# Altium PCB PCB1.PcbDoc (part 4 of 6)
Units mil, origin at the board's own origin, x right, y up, seen from the top; angles counter-clockwise.
Board outline 3937.01 x 3937.01 mil, 4 copper layers (Top Layer, GND, PWR, Bottom Layer), stack 72.967 mil thick; 11 components, 206 nets, 668 pads, 258 vias.
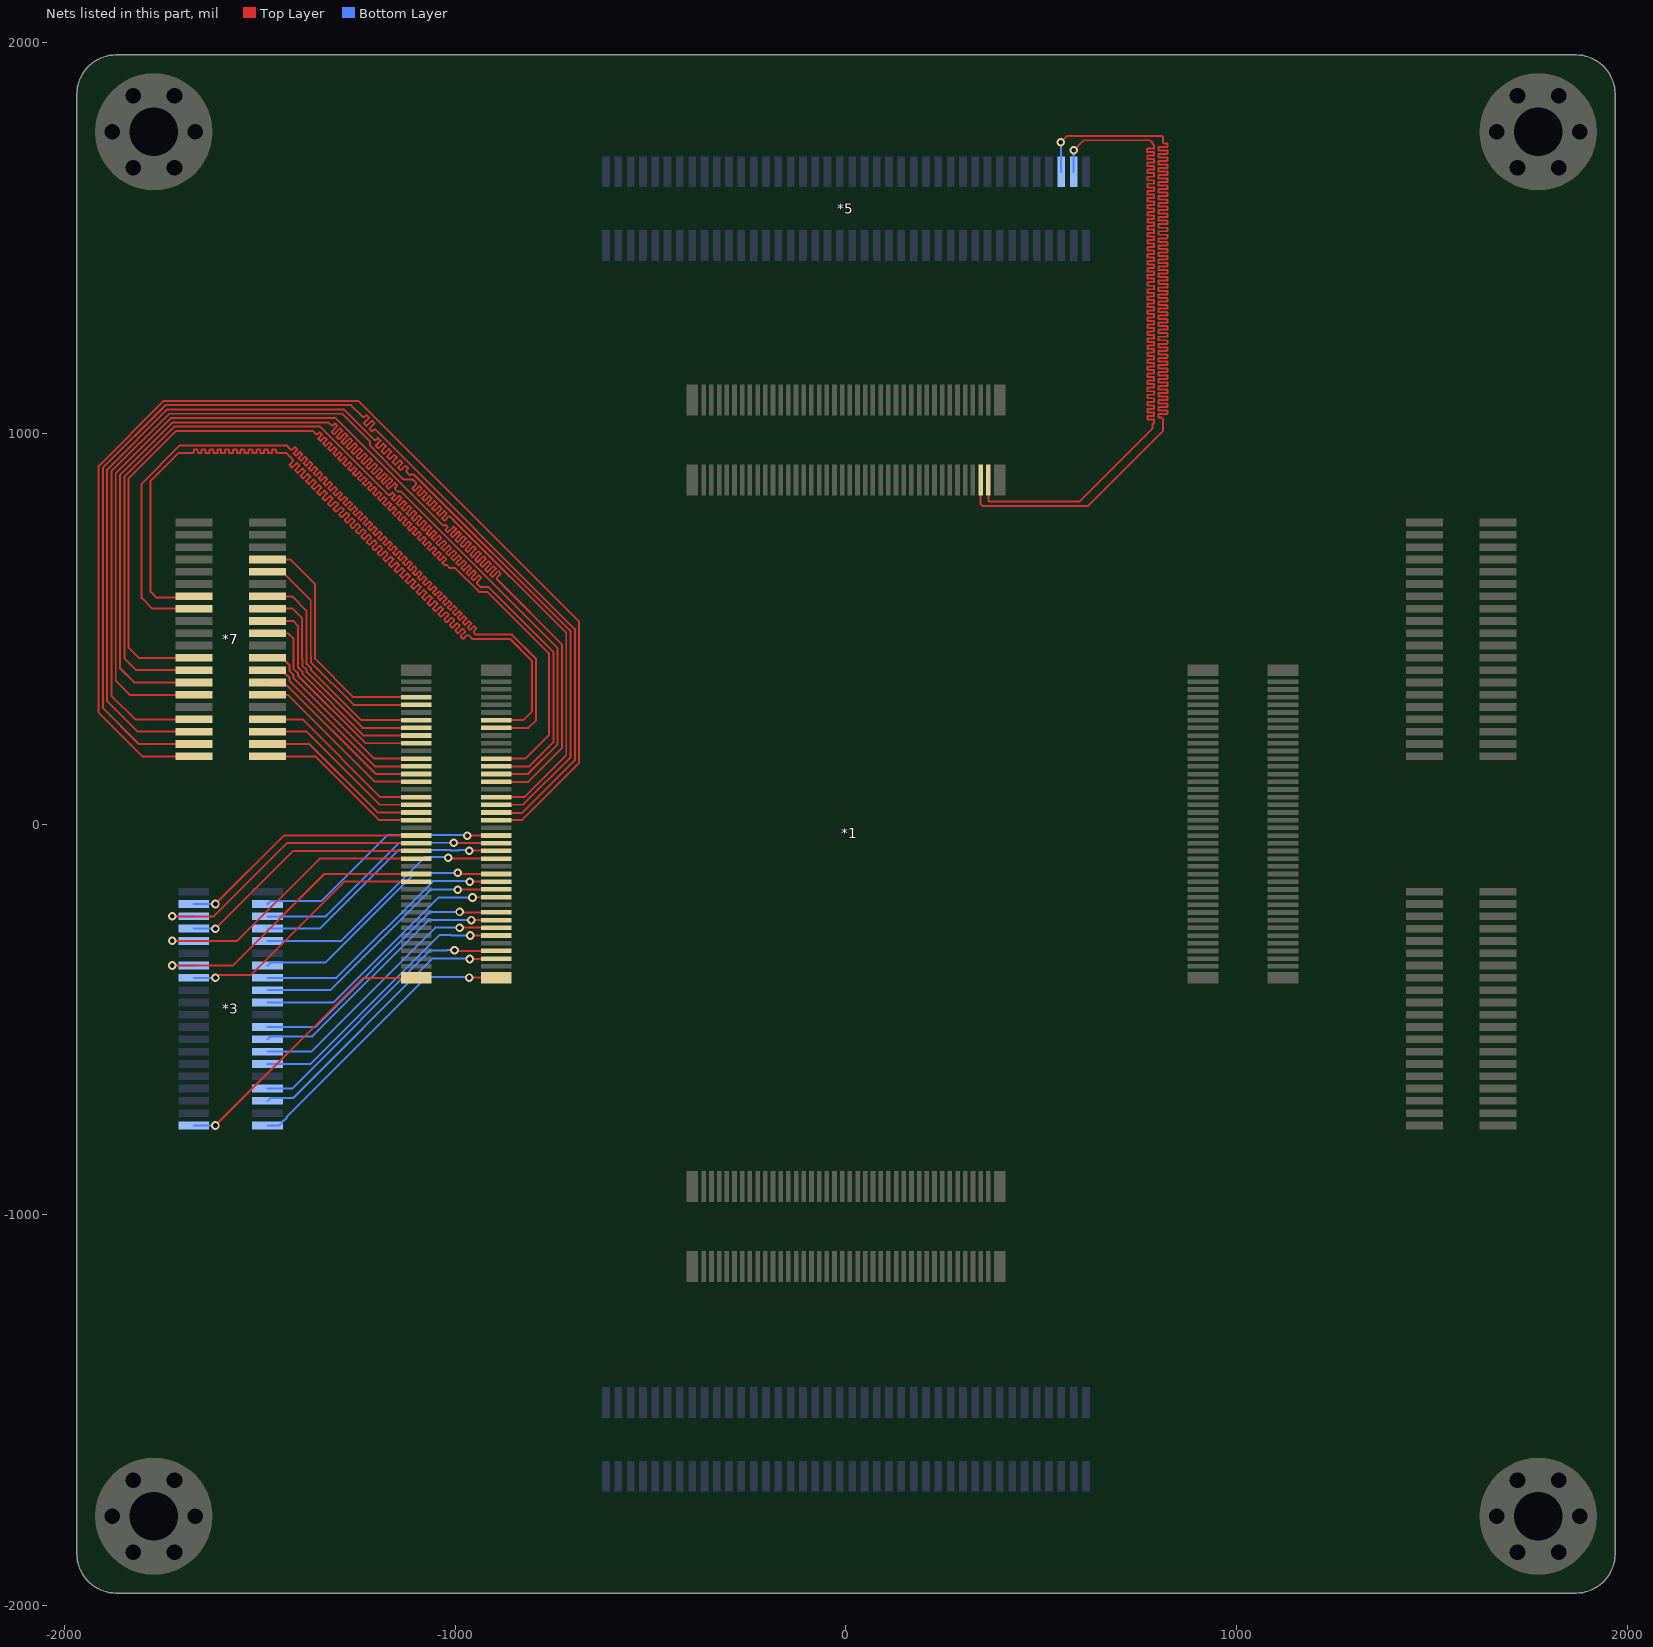
[diagram p6: the nets of this part, all layers, seen from the top]

## Via types
v1: diameter 22, hole 12, Top Layer to Bottom Layer, 254 vias
v2: diameter 24, hole 12, Top Layer to Bottom Layer, 4 vias

## Nets (pads, with @x,y where several pads share a name; then routed paths per layer and width w, separated by ;. In a path a pad name is that pad's centre, name@x,y a point inside that pad or via, vN(x,y) a via of type N, cw(c..) or ccw(c..) an arc to the next point about the centre after c; other vN are vias at no path point) (continued)
B14_L24_N: *1.155 *5.75 | length 3443.2
  Top Layer w5: *1.155@344.53,872.85 344.53,818.93 349.45,814 619.56,814 811,1005.44 811,1034.68 811,1037.18 808.07,1040.11 800.2,1040.11 799.75,1040.56 799.75,1048.66 800.2,1049.11 822.23,1049.11 822.68,1049.56 822.68,1057.66 822.23,1058.11 800.2,1058.11 799.75,1058.56 799.75,1066.66 800.2,1067.11 822.23,1067.11 822.68,1067.56 822.68,1075.66 822.23,1076.11 800.2,1076.11 799.75,1076.56 799.75,1084.66 800.2,1085.11 822.23,1085.11 822.68,1085.56 822.68,1093.66 822.23,1094.11 800.2,1094.11 799.75,1094.56 799.75,1102.66 800.2,1103.11 822.23,1103.11 822.68,1103.56 822.68,1111.66 822.23,1112.11 800.2,1112.11 799.75,1112.56 799.75,1120.66 800.2,1121.11 822.23,1121.11 822.68,1121.56 822.68,1129.66 822.23,1130.11 800.2,1130.11 799.75,1130.56 799.75,1138.66 800.2,1139.11 822.23,1139.11 822.68,1139.56 822.68,1147.66 822.23,1148.11 800.2,1148.11 799.75,1148.56 799.75,1156.66 800.2,1157.11 822.23,1157.11 822.68,1157.56 822.68,1165.66 822.23,1166.11 800.2,1166.11 799.75,1166.56 799.75,1174.66 800.2,1175.11 822.23,1175.11 822.68,1175.56 822.68,1183.66 822.23,1184.11 800.2,1184.11 799.75,1184.56 799.75,1192.66 800.2,1193.11 822.23,1193.11 822.68,1193.56 822.68,1201.66 822.23,1202.11 800.2,1202.11 799.75,1202.56 799.75,1210.66 800.2,1211.11 822.23,1211.11 822.68,1211.56 822.68,1219.66 822.23,1220.11 800.2,1220.11 799.75,1220.56 799.75,1228.66 800.2,1229.11 822.23,1229.11 822.68,1229.56 822.68,1237.66 822.23,1238.11 800.2,1238.11 799.75,1238.56 799.75,1246.66 800.2,1247.11 822.23,1247.11 822.68,1247.56 822.68,1255.66 822.23,1256.11 800.2,1256.11 799.75,1256.56 799.75,1264.66 800.2,1265.11 822.23,1265.11 822.68,1265.56 822.68,1273.66 822.23,1274.11 800.2,1274.11 799.75,1274.56 799.75,1282.66 800.2,1283.11 822.23,1283.11 822.68,1283.56 822.68,1291.66 822.23,1292.11 800.2,1292.11 799.75,1292.56 799.75,1300.66 800.2,1301.11 822.23,1301.11 822.68,1301.56 822.68,1309.66 822.23,1310.11 800.2,1310.11 799.75,1310.56 799.75,1318.66 800.2,1319.11 822.23,1319.11 822.68,1319.56 822.68,1327.66 822.23,1328.11 800.2,1328.11 799.75,1328.56 799.75,1336.66 800.2,1337.11 822.23,1337.11 822.68,1337.56 822.68,1345.66 822.23,1346.11 800.2,1346.11 799.75,1346.56 799.75,1354.66 800.2,1355.11 822.23,1355.11 822.68,1355.56 822.68,1363.66 822.23,1364.11 800.2,1364.11 799.75,1364.56 799.75,1372.66 800.2,1373.11 822.23,1373.11 822.68,1373.56 822.68,1381.66 822.23,1382.11 800.2,1382.11 799.75,1382.56 799.75,1390.66 800.2,1391.11 822.23,1391.11 822.68,1391.56 822.68,1399.66 822.23,1400.11 800.2,1400.11 799.75,1400.56 799.75,1408.66 800.2,1409.11 822.23,1409.11 822.68,1409.56 822.68,1417.66 822.23,1418.11 800.2,1418.11 799.75,1418.56 799.75,1426.66 800.2,1427.11 822.23,1427.11 822.68,1427.56 822.68,1435.66 822.23,1436.11 800.2,1436.11 799.75,1436.56 799.75,1444.66 800.2,1445.11 822.23,1445.11 822.68,1445.56 822.68,1453.66 822.23,1454.11 800.2,1454.11 799.75,1454.56 799.75,1462.66 800.2,1463.11 822.23,1463.11 822.68,1463.56 822.68,1471.66 822.23,1472.11 800.2,1472.11 799.75,1472.56 799.75,1480.66 800.2,1481.11 822.23,1481.11 822.68,1481.56 822.68,1489.66 822.23,1490.11 800.2,1490.11 799.75,1490.56 799.75,1498.66 800.2,1499.11 822.23,1499.11 822.68,1499.56 822.68,1507.66 822.23,1508.11 800.2,1508.11 799.75,1508.56 799.75,1516.66 800.2,1517.11 822.23,1517.11 822.68,1517.56 822.68,1525.66 822.23,1526.11 800.2,1526.11 799.75,1526.56 799.75,1534.66 800.2,1535.11 822.23,1535.11 822.68,1535.56 822.68,1543.66 822.23,1544.11 800.2,1544.11 799.75,1544.56 799.75,1552.66 800.2,1553.11 822.23,1553.11 822.68,1553.56 822.68,1561.66 822.23,1562.11 800.2,1562.11 799.75,1562.56 799.75,1570.66 800.2,1571.11 822.23,1571.11 822.68,1571.56 822.68,1579.66 822.23,1580.11 800.2,1580.11 799.75,1580.56 799.75,1588.66 800.2,1589.11 822.23,1589.11 822.68,1589.56 822.68,1597.66 822.23,1598.11 800.2,1598.11 799.75,1598.56 799.75,1606.66 800.2,1607.11 822.23,1607.11 822.68,1607.56 822.68,1615.66 822.23,1616.11 800.2,1616.11 799.75,1616.56 799.75,1624.66 800.2,1625.11 822.23,1625.11 822.68,1625.56 822.68,1633.66 822.23,1634.11 800.2,1634.11 799.75,1634.56 799.75,1642.66 800.2,1643.11 822.23,1643.11 822.68,1643.56 822.68,1651.66 822.23,1652.11 800.2,1652.11 799.75,1652.56 799.75,1660.66 800.2,1661.11 822.23,1661.11 822.68,1661.56 822.68,1669.66 822.23,1670.11 800.2,1670.11 799.75,1670.56 799.75,1678.66 800.2,1679.11 822.23,1679.11 822.68,1679.56 822.68,1687.66 822.23,1688.11 800.2,1688.11 799.75,1688.56 799.75,1696.66 800.2,1697.11 822.23,1697.11 822.68,1697.56 822.68,1705.66 822.23,1706.11 800.2,1706.11 799.75,1706.56 799.75,1714.66 800.2,1715.11 822.23,1715.11 822.68,1715.56 822.68,1723.66 822.23,1724.11 800.2,1724.11 799.75,1724.56 799.75,1732.66 800.2,1733.11 822.23,1733.11 822.68,1733.56 822.68,1741.66 822.23,1742.11 813.93,1742.11 811,1745.04 811,1749 811,1758.07 808.07,1761 566,1761 v1(550,1745)
  Bottom Layer w5: v1(550,1745) 550,1670.47 *5.75@551.18,1669.29
B14_L24_P: *1.157 *5.77 | length 2871.6
  Top Layer w5: *1.157@364.21,880.78 364.21,827.93 367.13,825 597,825 785,1013 785,1023.71 787.93,1026.64 788.3,1026.64 788.75,1027.09 788.75,1035.19 788.3,1035.64 771.86,1035.64 771.41,1036.09 771.41,1044.19 771.86,1044.64 788.3,1044.64 788.75,1045.09 788.75,1053.19 788.3,1053.64 771.86,1053.64 771.41,1054.09 771.41,1062.19 771.86,1062.64 788.3,1062.64 788.75,1063.09 788.75,1071.19 788.3,1071.64 771.86,1071.64 771.41,1072.09 771.41,1080.19 771.86,1080.64 788.3,1080.64 788.75,1081.09 788.75,1089.19 788.3,1089.64 771.86,1089.64 771.41,1090.09 771.41,1098.19 771.86,1098.64 788.3,1098.64 788.75,1099.09 788.75,1107.19 788.3,1107.64 771.86,1107.64 771.41,1108.09 771.41,1116.19 771.86,1116.64 788.3,1116.64 788.75,1117.09 788.75,1125.19 788.3,1125.64 771.86,1125.64 771.41,1126.09 771.41,1134.19 771.86,1134.64 788.3,1134.64 788.75,1135.09 788.75,1143.19 788.3,1143.64 771.86,1143.64 771.41,1144.09 771.41,1152.19 771.86,1152.64 788.3,1152.64 788.75,1153.09 788.75,1161.19 788.3,1161.64 771.86,1161.64 771.41,1162.09 771.41,1170.19 771.86,1170.64 788.3,1170.64 788.75,1171.09 788.75,1179.19 788.3,1179.64 771.86,1179.64 771.41,1180.09 771.41,1188.19 771.86,1188.64 788.3,1188.64 788.75,1189.09 788.75,1197.19 788.3,1197.64 771.86,1197.64 771.41,1198.09 771.41,1206.19 771.86,1206.64 788.3,1206.64 788.75,1207.09 788.75,1215.19 788.3,1215.64 771.86,1215.64 771.41,1216.09 771.41,1224.19 771.86,1224.64 788.3,1224.64 788.75,1225.09 788.75,1233.19 788.3,1233.64 771.86,1233.64 771.41,1234.09 771.41,1242.19 771.86,1242.64 788.3,1242.64 788.75,1243.09 788.75,1251.19 788.3,1251.64 771.86,1251.64 771.41,1252.09 771.41,1260.19 771.86,1260.64 788.3,1260.64 788.75,1261.09 788.75,1269.19 788.3,1269.64 771.86,1269.64 771.41,1270.09 771.41,1278.19 771.86,1278.64 788.3,1278.64 788.75,1279.09 788.75,1287.19 788.3,1287.64 771.86,1287.64 771.41,1288.09 771.41,1296.19 771.86,1296.64 788.3,1296.64 788.75,1297.09 788.75,1305.19 788.3,1305.64 771.86,1305.64 771.41,1306.09 771.41,1314.19 771.86,1314.64 788.3,1314.64 788.75,1315.09 788.75,1323.19 788.3,1323.64 771.86,1323.64 771.41,1324.09 771.41,1332.19 771.86,1332.64 788.3,1332.64 788.75,1333.09 788.75,1341.19 788.3,1341.64 771.86,1341.64 771.41,1342.09 771.41,1350.19 771.86,1350.64 788.3,1350.64 788.75,1351.09 788.75,1359.19 788.3,1359.64 771.86,1359.64 771.41,1360.09 771.41,1368.19 771.86,1368.64 788.3,1368.64 788.75,1369.09 788.75,1377.19 788.3,1377.64 771.86,1377.64 771.41,1378.09 771.41,1386.19 771.86,1386.64 788.3,1386.64 788.75,1387.09 788.75,1395.19 788.3,1395.64 771.86,1395.64 771.41,1396.09 771.41,1404.19 771.86,1404.64 788.3,1404.64 788.75,1405.09 788.75,1413.19 788.3,1413.64 771.86,1413.64 771.41,1414.09 771.41,1422.19 771.86,1422.64 788.3,1422.64 788.75,1423.09 788.75,1431.19 788.3,1431.64 771.86,1431.64 771.41,1432.09 771.41,1440.19 771.86,1440.64 788.3,1440.64 788.75,1441.09 788.75,1449.19 788.3,1449.64 771.86,1449.64 771.41,1450.09 771.41,1458.19 771.86,1458.64 788.3,1458.64 788.75,1459.09 788.75,1467.19 788.3,1467.64 771.86,1467.64 771.41,1468.09 771.41,1476.19 771.86,1476.64 788.3,1476.64 788.75,1477.09 788.75,1485.19 788.3,1485.64 771.86,1485.64 771.41,1486.09 771.41,1494.19 771.86,1494.64 788.3,1494.64 788.75,1495.09 788.75,1503.19 788.3,1503.64 771.86,1503.64 771.41,1504.09 771.41,1512.19 771.86,1512.64 788.3,1512.64 788.75,1513.09 788.75,1521.19 788.3,1521.64 771.86,1521.64 771.41,1522.09 771.41,1530.19 771.86,1530.64 788.3,1530.64 788.75,1531.09 788.75,1539.19 788.3,1539.64 771.86,1539.64 771.41,1540.09 771.41,1548.19 771.86,1548.64 788.3,1548.64 788.75,1549.09 788.75,1557.19 788.3,1557.64 771.86,1557.64 771.41,1558.09 771.41,1566.19 771.86,1566.64 788.3,1566.64 788.75,1567.09 788.75,1575.19 788.3,1575.64 771.86,1575.64 771.41,1576.09 771.41,1584.19 771.86,1584.64 788.3,1584.64 788.75,1585.09 788.75,1593.19 788.3,1593.64 771.86,1593.64 771.41,1594.09 771.41,1602.19 771.86,1602.64 788.3,1602.64 788.75,1603.09 788.75,1611.19 788.3,1611.64 771.86,1611.64 771.41,1612.09 771.41,1620.19 771.86,1620.64 788.3,1620.64 788.75,1621.09 788.75,1629.19 788.3,1629.64 771.86,1629.64 771.41,1630.09 771.41,1638.19 771.86,1638.64 788.3,1638.64 788.75,1639.09 788.75,1647.19 788.3,1647.64 771.86,1647.64 771.41,1648.09 771.41,1656.19 771.86,1656.64 788.3,1656.64 788.75,1657.09 788.75,1665.19 788.3,1665.64 771.86,1665.64 771.41,1666.09 771.41,1674.19 771.86,1674.64 788.3,1674.64 788.75,1675.09 788.75,1683.19 788.3,1683.64 771.45,1683.64 771,1684.09 771,1692.19 771.45,1692.64 788.3,1692.64 788.75,1693.09 788.75,1701.19 788.3,1701.64 771.45,1701.64 771,1702.09 771,1710.19 771.45,1710.64 788.3,1710.64 788.75,1711.09 788.75,1719.19 788.3,1719.64 771.13,1719.64 770.68,1720.09 770.68,1728.19 771.13,1728.64 788.3,1728.64 788.75,1729.09 788.75,1737.19 788.3,1737.64 787.93,1737.64 785,1740.57 785,1743.07 782.07,1746 782,1746 778,1750 608.02,1750 v1(582.68,1724.66)
  Bottom Layer w5: *5.77@582.68,1669.29 v1(582.68,1724.66)
B15_IO0: *1.161 *3.1 | length 729.5
  Top Layer w5: v1(-964,-393) *1.161@-912,-393
  Bottom Layer w5: *3.1@-1480.31,-771.66 -1450.79,-771.66 -1443.44,-764.31 -1443.44,-761.44 -1440.52,-758.51 -1437.42,-758.51 -1432.44,-753.53 -1432.44,-750.44 -1074,-392 -965,-392 v1(-964,-393)
B15_IO25: *1.162 *3.2 | length 726.2
  Top Layer w5: v1(-1613.92,-771.66) -1235.94,-393.68 *1.162@-1099.62,-393.68
  Bottom Layer w5: *3.2@-1669.29,-771.66 v1(-1613.92,-771.66)
B15_L1_N: *1.185 *3.25 | length 688.7
  Top Layer w5: v1(-963,-147.5) -962.88,-147.62 *1.185@-894.9,-147.62
  Bottom Layer w5: *3.25@-1480.31,-393.7 -1304.26,-393.7 -1056.56,-146 -964.5,-146 v1(-963,-147.5)
B15_L1_P: *1.187 *3.27 | length 677.4
  Top Layer w5: v1(-994,-125) -991.25,-127.75 -902.66,-127.75 *1.187@-902.42,-128
  Bottom Layer w5: *3.27@-1480.31,-362.2 -1472.96,-354.85 -1332.43,-354.85 -1102.58,-125 v1(-994,-125)
B15_L2_N: *1.173 *3.13 | length 717.7
  Top Layer w5: v1(-989,-265.54) -988.82,-265.36 -895.36,-265.36 *1.173@-894.72,-266
  Bottom Layer w5: *3.13@-1480.31,-582.68 -1369.12,-582.68 -1051.44,-265 -989.54,-265 v1(-989,-265.54)
B15_L2_P: *1.171 *3.11 | length 718.2
  Top Layer w5: v1(-962,-285.5) v1(-962,-285.5) -899.54,-285.46 *1.171@-899.29,-285.21
  Bottom Layer w5: *3.11@-1480.31,-614.18 -1370.18,-614.18 -1040.5,-284.5 -1010.98,-284.5 -1010.44,-285.04 -980.92,-285.04 -980.88,-285 -962.5,-285 v1(-962,-285.5)
B15_L3_N: *1.195 *3.35 | length 663.9
  Top Layer w5: v1(-1004,-48) -1002.8,-49.2 *1.195@-894.9,-49.2
  Bottom Layer w5: *3.35@-1480.31,-236.22 -1331.35,-236.22 -1143.13,-48 v1(-1004,-48)
B15_L3_P: *1.197 *3.37 | length 678.7
  Top Layer w5: v1(-969,-29.7) -968.91,-29.61 *1.197@-875.55,-29.61
  Bottom Layer w5: *3.37@-1480.31,-204.72 -1472.96,-197.37 -1342.71,-197.37 -1173.34,-28 -970.7,-28 v1(-969,-29.7)
B15_L4_N: *1.167 *3.7 | length 709.7
  Top Layer w5: v1(-1002,-323) -1000.4,-324.6 -919.01,-324.6 *1.167@-918.31,-323.89
  Bottom Layer w5: *3.7@-1480.31,-677.17 -1417.61,-677.17 -1063.94,-323.5 -1020.92,-323.5 -1020.42,-323 v1(-1002,-323)
B15_L4_P: *1.165 *3.5 | length 710.6
  Top Layer w5: v1(-963,-345.5) -962.48,-344.98 -922.65,-344.98 *1.165@-921.9,-344.23
  Bottom Layer w5: *3.5@-1480.31,-708.66 -1472.96,-701.31 -1414.43,-701.31 -1057.12,-344 -964.5,-344 v1(-963,-345.5)
B15_L5_N: *1.193 *3.33 | length 695.5
  Top Layer w5: v1(-964,-68.7) -963.24,-67.94 *1.193@-869.42,-67.94
  Bottom Layer w5: *3.33@-1480.31,-267.71 -1347.29,-267.71 -1146.58,-67 -1012.58,-67 -1012.08,-67.5 -992.22,-67.5 -991.72,-67 -965.7,-67 v1(-964,-68.7)
B15_L5_P: *1.191 *3.31 | length 689.8
  Top Layer w5: v1(-1018,-86.5) -1015.93,-88.57 *1.191@-880.7,-88.57
  Bottom Layer w5: *3.31@-1480.31,-299.21 -1292.34,-299.21 -1078.13,-85 -1019.5,-85 v1(-1018,-86.5)
B15_L6_N: *1.206 *7.6 | length 458.1
  Top Layer w5: *7.6@-1480.31,236.22 -1380.22,236.22 -1193.22,49.22 *1.206@-1099.62,49.22
B15_L6_P: *1.208 *7.8 | length 463
  Top Layer w5: *7.8@-1480.31,267.71 -1390.71,267.71 -1191.91,68.91 *1.208@-1099.62,68.91
B15_L7_N: *1.192 *3.32 | length 767.7
  Top Layer w5: v1(-1724.66,-299.21) -1558.04,-299.21 -1347.4,-88.57 *1.192@-1099.62,-88.57
  Bottom Layer w5: v1(-1724.66,-299.21) *3.32@-1669.29,-299.21
B15_L7_P: *1.194 *3.34 | length 652
  Top Layer w5: v1(-1613.92,-267.71) -1415.09,-68.88 *1.194@-1099.62,-68.88
  Bottom Layer w5: *3.34@-1669.29,-267.71 v1(-1613.92,-267.71)
B15_L8_N: *1.186 *3.26 | length 673.8
  Top Layer w5: v1(-1613.92,-393.7) -1613.92,-389.93 -1610.99,-387 -1523.88,-387 -1284.5,-147.62 *1.186@-1099.62,-147.62
  Bottom Layer w5: *3.26@-1669.29,-393.7 v1(-1613.92,-393.7)
B15_L8_P: *1.188 *3.28 | length 777.4
  Top Layer w5: v1(-1724.66,-362.2) -1569.85,-362.2 -1335.59,-127.94 *1.188@-1099.62,-127.94
  Bottom Layer w5: v1(-1724.66,-362.2) *3.28@-1669.29,-362.2
B15_L9_N: *1.198 *3.38 | length 642.2
  Top Layer w5: v1(-1613.92,-204.72) -1438.71,-29.51 *1.198@-1099.62,-29.51
  Bottom Layer w5: *3.38@-1669.29,-204.72 v1(-1613.92,-204.72)
B15_L9_P: *1.196 *3.36 | length 757.9
  Top Layer w5: v1(-1724.66,-236.22) -1617.84,-236.22 -1430.82,-49.2 *1.196@-1099.62,-49.2
  Bottom Layer w5: v1(-1724.66,-236.22) *3.36@-1669.29,-236.22
B15_L10_N: *1.218 *7.18 | length 500.7
  Top Layer w5: *7.18@-1480.31,425.2 -1442.91,425.2 -1429.76,412.04 -1429.55,412.04 -1424.57,407.06 -1424.57,391.79 -1413.57,380.79 -1413.57,373.57 -1207.34,167.34 *1.218@-1099.62,167.34
B15_L10_P: *1.216 *7.16 | length 489.6
  Top Layer w5: *7.16@-1480.31,393.7 -1442.91,393.7 -1435.57,386.36 -1435.57,383.48 -1432.64,380.55 -1429.55,380.55 -1424.57,375.57 -1424.57,366.57 -1205.65,147.65 *1.216@-1099.62,147.65
B15_L11_N: *1.183 *3.23 | length 687.9
  Top Layer w5: v1(-994,-168) *1.183@-898.9,-168
  Bottom Layer w5: *3.23@-1480.31,-425.2 -1320.2,-425.2 -1063,-168 v1(-994,-168)
B15_L11_P: *1.181 *3.21 | length 697.1
  Top Layer w5: v1(-956,-188) -955.5,-187.5 -895.4,-187.5 *1.181@-894.9,-186.99
  Bottom Layer w5: *3.21@-1480.31,-456.69 -1311.37,-456.69 -1042.68,-188 v1(-956,-188)
B15_L12_N: *1.177 *3.17 | length 708
  Top Layer w5: v1(-989,-225) -987.65,-226.35 *1.177@-894.9,-226.35
  Bottom Layer w5: *3.17@-1480.31,-519.69 -1358.81,-519.69 -1064.12,-225 v1(-989,-225)
B15_L12_P: *1.175 *3.15 | length 714.3
  Top Layer w5: v1(-959,-245.85) -958.91,-245.95 -893.48,-245.95 *1.175@-892.81,-245.27
  Bottom Layer w5: *3.15@-1480.31,-551.18 -1472.96,-543.83 -1365.83,-543.83 -1067.85,-245.85 v1(-959,-245.85)
B15_L13_N: *1.212 *7.12 | length 472.8
  Top Layer w5: *7.12@-1480.31,330.71 -1480.11,330.5 -1428.5,330.5 -1206.28,108.28 *1.212@-1099.62,108.28
B15_L13_P: *1.214 *7.14 | length 477.7
  Top Layer w5: *7.14@-1480.31,362.2 -1472.97,354.86 -1430.86,354.86 -1203.96,127.96 *1.214@-1099.62,127.96
B15_L14_N: *1.213 *7.13 | length 3076.1
  Top Layer w5: *7.13@-1669.29,362.2 -1822.2,362.2 -1858,398 -1858,893.45 -1723.45,1028 -1324.82,1028 -1318.91,1022.09 -1317.14,1020.32 -1313,1020.32 -1308.26,1025.06 -1307.62,1025.06 -1301.89,1019.34 -1301.89,1018.7 -1316.7,1003.89 -1316.7,1003.26 -1310.97,997.53 -1310.34,997.53 -1295.53,1012.34 -1294.89,1012.34 -1289.17,1006.61 -1289.17,1005.97 -1303.97,991.17 -1303.97,990.53 -1298.25,984.8 -1297.61,984.8 -1282.8,999.61 -1282.16,999.61 -1276.44,993.88 -1276.44,993.24 -1291.24,978.44 -1291.24,977.8 -1285.52,972.07 -1284.88,972.07 -1270.07,986.88 -1269.44,986.88 -1263.71,981.15 -1263.71,980.52 -1278.52,965.71 -1278.52,965.07 -1272.79,959.35 -1272.15,959.35 -1257.35,974.15 -1256.71,974.15 -1250.98,968.43 -1250.98,967.79 -1265.79,952.98 -1265.79,952.35 -1260.06,946.62 -1259.42,946.62 -1244.62,961.42 -1243.98,961.42 -1238.25,955.7 -1238.25,955.06 -1253.06,940.25 -1253.06,939.62 -1247.33,933.89 -1246.7,933.89 -1231.89,948.7 -1231.25,948.7 -1225.53,942.97 -1225.53,942.33 -1240.33,927.53 -1240.33,926.89 -1234.61,921.16 -1233.97,921.16 -1219.16,935.97 -1218.53,935.97 -1212.8,930.24 -1212.8,929.61 -1227.61,914.8 -1227.61,914.16 -1221.88,908.43 -1221.24,908.43 -1206.43,923.24 -1205.8,923.24 -1200.07,917.51 -1200.07,916.88 -1214.88,902.07 -1214.88,901.43 -1209.15,895.71 -1208.51,895.71 -1193.71,910.51 -1193.07,910.51 -1187.34,904.79 -1187.34,904.15 -1202.15,889.34 -1202.15,888.71 -1196.42,882.98 -1195.79,882.98 -1180.98,897.79 -1180.34,897.79 -1174.61,892.06 -1174.61,891.42 -1189.42,876.61 -1189.42,875.98 -1183.69,870.25 -1183.06,870.25 -1168.25,885.06 -1167.61,885.06 -1161.89,879.33 -1161.89,878.69 -1176.69,863.89 -1176.69,863.25 -1170.97,857.52 -1170.33,857.52 -1155.52,872.33 -1154.89,872.33 -1149.16,866.6 -1149.16,865.97 -1153.9,861.22 -1153.9,857.08 -1150.18,853.36 -1148.41,851.59 -1139.59,851.59 -1036.27,748.27 -1036.27,748.13 -909.55,621.41 -909.41,621.41 -738,450 -738,204.44 -814.47,127.97 *1.213@-894.9,127.97
B15_L14_P: *1.211 *7.11 | length 3101.3
  Top Layer w5: *7.11@-1669.29,330.71 -1832.71,330.71 -1869,367 -1869,898.01 -1728.01,1039 -1306,1039 -1033,766 -1031.23,764.23 -1027.09,764.23 -1025.71,765.61 -1025.08,765.61 -1019.35,759.88 -1019.35,759.24 -1025.27,753.32 -1025.27,752.69 -1019.54,746.96 -1018.91,746.96 -1004.53,761.34 -1003.89,761.34 -998.17,755.61 -998.17,754.97 -1012.54,740.6 -1012.54,739.96 -1006.81,734.23 -1006.18,734.23 -991.8,748.61 -991.16,748.61 -985.44,742.88 -985.44,742.24 -999.81,727.87 -999.81,727.23 -994.09,721.5 -993.45,721.5 -979.07,735.88 -978.44,735.88 -972.71,730.15 -972.71,729.52 -987.09,715.14 -987.09,714.5 -981.36,708.78 -980.72,708.78 -966.35,723.15 -965.71,723.15 -959.98,717.43 -959.98,716.79 -974.36,702.41 -974.36,701.78 -968.63,696.05 -967.99,696.05 -953.62,710.42 -952.98,710.42 -947.25,704.7 -947.25,704.06 -961.63,689.68 -961.63,689.05 -955.9,683.32 -955.27,683.32 -940.89,697.7 -940.25,697.7 -934.53,691.97 -934.53,691.33 -948.9,676.96 -948.9,676.32 -943.17,670.59 -942.54,670.59 -928.16,684.97 -927.53,684.97 -921.8,679.24 -921.8,678.61 -936.17,664.23 -936.17,663.59 -930.45,657.86 -929.81,657.86 -915.43,672.24 -914.8,672.24 -909.07,666.51 -909.07,665.88 -923.45,651.5 -923.45,650.86 -917.72,645.14 -917.08,645.14 -902.71,659.51 -902.07,659.51 -896.34,653.79 -896.34,653.15 -910.72,638.77 -910.72,638.14 -904.99,632.41 -904.35,632.41 -889.98,646.79 -889.34,646.79 -883.61,641.06 -883.61,640.42 -893.45,630.59 -893.45,626.45 -888.61,621.61 -886.84,619.84 -727,460 -727,194 -813,108 *1.211@-919.9,108
B15_L15_N: *1.202 *7.2 | length 429.7
  Top Layer w5: *7.2@-1480.31,173.23 -1358.23,173.23 -1195,10 *1.202@-1118.19,10
B15_L15_P: *1.204 *7.4 | length 461.8
  Top Layer w5: *7.4@-1480.31,204.72 -1374.17,204.72 -1198.98,29.54 *1.204@-1091.05,29.54
B15_L16_N: *1.234 *7.34 | length 638.5
  Top Layer w5: *7.34@-1480.31,677.17 -1422.17,677.17 -1359,614 -1359,434.83 -1358.57,434.4 -1358.57,422.57 -1260.83,324.83 *1.234@-1099.62,324.83
B15_L16_P: *1.232 *7.32 | length 614.3
  Top Layer w5: *7.32@-1480.31,645.67 -1442.91,645.67 -1429.76,632.52 -1429.55,632.52 -1370,572.97 -1370,430.27 -1369.57,429.84 -1369.57,414.57 -1260.14,305.14 *1.232@-1099.62,305.14
B15_L17_N: *1.226 *7.26 | length 580.9
  Top Layer w5: *7.26@-1480.31,551.18 -1416.18,551.18 -1392,527 -1392,421.16 -1391.57,420.73 -1391.57,405.46 -1380.57,394.46 -1380.57,389.57 -1237.08,246.08 *1.226@-1099.62,246.08
B15_L17_P: *1.228 *7.28 | length 594
  Top Layer w5: *7.28@-1480.31,582.68 -1417.68,582.68 -1381,546 -1381,425.72 -1380.57,425.29 -1380.57,410.01 -1369.57,399.01 -1369.57,394.57 -1240.77,265.77 *1.228@-1099.62,265.77
B15_L18_N: *1.224 *7.24 | length 568
  Top Layer w5: *7.24@-1480.31,519.69 -1414.69,519.69 -1403,508 -1403,416.61 -1402.57,416.18 -1402.57,400.9 -1391.57,389.9 -1391.57,384.13 -1233.84,226.4 *1.224@-1099.62,226.4
B15_L18_P: *1.222 *7.22 | length 545.9
  Top Layer w5: *7.22@-1480.31,488.19 -1428.19,488.19 -1414,474 -1414,412.05 -1413.57,411.62 -1413.57,396.34 -1402.57,385.34 -1402.57,379.57 -1229.71,206.71 *1.222@-1099.62,206.71
B15_L19_N: *1.203 *7.3 | length 3081.6
  Top Layer w5: *7.3@-1669.29,204.72 -1809.72,204.72 -1902,297 -1902,911.68 -1741.68,1072 -1267,1072 -1238.5,1043.5 -1236.73,1041.73 -1232.59,1041.73 -1227.79,1046.53 -1227.09,1046.53 -1220.72,1040.17 -1220.72,1039.46 -1233.96,1026.22 -1233.96,1025.51 -1227.59,1019.15 -1226.89,1019.15 -1213.65,1032.39 -1212.94,1032.39 -1206.58,1026.02 -1206.58,1025.32 -1219.82,1012.08 -1219.82,1011.37 -1213.45,1005.01 -1212.74,1005.01 -1208.45,1009.31 -1204.31,1009.31 -1197.59,1002.59 -1195.82,1000.82 -694,499 -694,163 -803.92,53.08 -804.41,53.08 -829.49,28 -845,28 *1.203@-913.24,28
B15_L19_P: *1.201 *7.1 | length 3113
  Top Layer w5: *7.1@-1669.29,173.23 -1801.23,173.23 -1913,285 -1913,916.23 -1746.23,1083 -1248,1083 -683,518 -683,156.77 -829.77,10 *1.201@-919.65,10
B15_L20_N: *1.207 *7.7 | length 3055.9
  Top Layer w5: *7.7@-1669.29,267.71 -1819.71,267.71 -1880,328 -1880,902.56 -1732.56,1050 -1289.56,1050 -1218.23,978.68 -1218.23,968.23 -1131.5,881.5 -1108.5,881.5 -1106.73,879.73 -1100.37,873.37 -1100.37,869.23 -1110.12,859.48 -1110.12,858.84 -1104.39,853.11 -1103.75,853.11 -1092.25,864.61 -1091.61,864.61 -1085.89,858.89 -1085.89,858.25 -1097.39,846.75 -1097.39,846.11 -1091.66,840.38 -1091.03,840.38 -1079.52,851.89 -1078.89,851.89 -1073.16,846.16 -1073.16,845.52 -1084.66,834.02 -1084.66,833.38 -1078.93,827.66 -1078.3,827.66 -1066.8,839.16 -1066.16,839.16 -1060.43,833.43 -1060.43,832.79 -1071.93,821.29 -1071.93,820.66 -1066.21,814.93 -1065.57,814.93 -1054.07,826.43 -1053.43,826.43 -1047.7,820.7 -1047.7,820.07 -1059.21,808.56 -1059.21,807.93 -1053.48,802.2 -1052.84,802.2 -1041.34,813.7 -1040.7,813.7 -1034.98,807.98 -1034.98,807.34 -1046.48,795.84 -1046.48,795.2 -1040.75,789.47 -1040.11,789.47 -1028.61,800.97 -1027.97,800.97 -1022.25,795.25 -1022.25,794.61 -1033.75,783.11 -1033.75,782.47 -1028.02,776.74 -1027.39,776.74 -1017.64,786.49 -1013.49,786.49 -1004.27,777.27 -1002.5,775.5 -716,489 -716,176 -823,69 *1.207@-910.7,69
B15_L20_P: *1.205 *7.5 | length 3075
  Top Layer w5: *7.5@-1669.29,236.22 -1813.22,236.22 -1891,314 -1891,907.12 -1737.12,1061 -1285,1061 -1209,985 -1207.23,983.23 -1203.09,983.23 -1198.79,987.53 -1198.09,987.53 -1191.72,981.17 -1191.72,980.46 -1202.96,969.22 -1202.96,968.51 -1196.59,962.15 -1195.89,962.15 -1184.65,973.39 -1183.94,973.39 -1177.58,967.02 -1177.58,966.32 -1188.82,955.08 -1188.82,954.37 -1182.45,948.01 -1181.74,948.01 -1170.51,959.24 -1169.8,959.24 -1163.44,952.88 -1163.44,952.17 -1174.67,940.94 -1174.67,940.23 -1168.31,933.87 -1167.6,933.87 -1156.37,945.1 -1155.66,945.1 -1149.3,938.74 -1149.3,938.03 -1160.53,926.8 -1160.53,926.09 -1154.17,919.72 -1153.46,919.72 -1142.22,930.96 -1141.52,930.96 -1135.15,924.6 -1135.15,923.89 -1146.39,912.65 -1146.39,911.95 -1140.03,905.58 -1139.32,905.58 -1128.08,916.82 -1127.37,916.82 -1121.01,910.45 -1121.01,909.75 -1125.31,905.45 -1125.31,901.31 -1118.27,894.27 ; -1116.5,892.5 -1118.27,894.27 ; *1.205@-894.9,49.22 -827.22,49.22 -705,171.44 -705,493.56 -1105.71,894.27 -1116.5,894.27 -1118.27,894.27
B15_L21_N: *1.217 *7.17 | length 3047
  Top Layer w5: *7.17@-1669.29,425.2 -1810.2,425.2 -1836,451 -1836,884.34 -1714.34,1006 -1365,1006 -1358.5,999.5 -1356.73,997.73 -1352.59,997.73 -1347.76,1002.56 -1347.12,1002.56 -1341.39,996.84 -1341.39,996.2 -1350.9,986.69 -1350.9,986.05 -1345.18,980.33 -1344.54,980.33 -1335.03,989.84 -1334.39,989.84 -1328.67,984.11 -1328.67,983.47 -1338.18,973.96 -1338.18,973.32 -1332.45,967.6 -1331.81,967.6 -1322.3,977.11 -1321.66,977.11 -1315.94,971.38 -1315.94,970.74 -1325.45,961.23 -1325.45,960.6 -1319.72,954.87 -1319.08,954.87 -1309.57,964.38 -1308.94,964.38 -1303.21,958.65 -1303.21,958.02 -1312.72,948.51 -1312.72,947.87 -1306.99,942.14 -1306.36,942.14 -1296.85,951.65 -1296.21,951.65 -1290.48,945.93 -1290.48,945.29 -1299.99,935.78 -1299.99,935.14 -1294.27,929.41 -1293.63,929.41 -1284.12,938.92 -1283.48,938.92 -1277.75,933.2 -1277.75,932.56 -1287.26,923.05 -1287.26,922.41 -1281.54,916.69 -1280.9,916.69 -1271.39,926.2 -1270.75,926.2 -1265.03,920.47 -1265.03,919.83 -1274.54,910.32 -1274.54,909.69 -1268.81,903.96 -1268.17,903.96 -1258.66,913.47 -1258.03,913.47 -1252.3,907.74 -1252.3,907.11 -1261.81,897.59 -1261.81,896.96 -1256.08,891.23 -1255.45,891.23 -1245.93,900.74 -1245.3,900.74 -1239.57,895.01 -1239.57,894.38 -1249.08,884.87 -1249.08,884.23 -1243.35,878.5 -1242.72,878.5 -1233.21,888.01 -1232.57,888.01 -1226.84,882.29 -1226.84,881.65 -1236.35,872.14 -1236.35,871.5 -1230.63,865.77 -1229.99,865.77 -1220.48,875.29 -1219.84,875.29 -1214.11,869.56 -1214.11,868.92 -1223.63,859.41 -1223.63,858.77 -1217.9,853.05 -1217.26,853.05 -1207.75,862.56 -1207.11,862.56 -1201.39,856.83 -1201.39,856.19 -1210.9,846.68 -1210.9,846.05 -1205.17,840.32 -1204.53,840.32 -1195.02,849.83 -1194.39,849.83 -1188.66,844.1 -1188.66,843.47 -1198.17,833.95 -1198.17,833.32 -1192.44,827.59 -1191.81,827.59 -1182.29,837.1 -1181.66,837.1 -1175.93,831.37 -1175.93,830.74 -1185.44,821.23 -1185.44,820.59 -1179.71,814.86 -1179.08,814.86 -1169.85,824.09 -1169.21,824.09 -1163.49,818.36 -1163.49,817.73 -1172.71,808.5 -1172.71,807.86 -1166.99,802.13 -1166.35,802.13 -1157.12,811.36 -1156.48,811.36 -1150.76,805.64 -1150.76,805 -1159.99,795.77 -1159.99,795.13 -1154.26,789.41 -1153.62,789.41 -1144.39,798.64 -1143.76,798.64 -1138.03,792.91 -1138.03,792.27 -1147.26,783.04 -1147.26,782.41 -1141.53,776.68 -1140.89,776.68 -1131.67,785.91 -1131.03,785.91 -1125.3,780.18 -1125.3,779.54 -1134.53,770.31 -1134.53,769.68 -1128.8,763.95 -1128.17,763.95 -1118.94,773.18 -1118.3,773.18 -1112.57,767.45 -1112.57,766.82 -1121.8,757.59 -1121.8,756.95 -1116.07,751.22 -1115.44,751.22 -1106.21,760.45 -1105.57,760.45 -1099.85,754.72 -1099.85,754.09 -1109.07,744.86 -1109.07,744.22 -1103.35,738.49 -1102.71,738.49 -1093.48,747.72 -1092.84,747.72 -1087.12,742 -1087.12,741.36 -1096.35,732.13 -1096.35,731.49 -1090.62,725.77 -1089.98,725.77 -1080.75,735 -1080.12,735 -1074.39,729.27 -1074.39,728.63 -1083.62,719.4 -1083.62,718.77 -1077.89,713.04 -1077.25,713.04 -1068.03,722.27 -1067.39,722.27 -1061.66,716.54 -1061.66,715.9 -1070.89,706.68 -1070.89,706.04 -1065.16,700.31 -1064.53,700.31 -1055.3,709.54 -1054.66,709.54 -1048.93,703.81 -1048.93,703.18 -1058.16,693.95 -1058.16,693.31 -1052.43,687.58 -1051.8,687.58 -1042.57,696.81 -1041.93,696.81 -1036.21,691.08 -1036.21,690.45 -1045.43,681.22 -1045.43,680.58 -1039.71,674.86 -1039.07,674.86 -1029.84,684.08 -1029.21,684.08 -1023.48,678.36 -1023.48,677.72 -1032.71,668.49 -1032.71,667.85 -1026.98,662.13 -1026.34,662.13 -1025.81,662.66 -1021.66,662.66 -1015.85,656.85 -1014.08,655.08 -1000.2,655.08 -939.08,593.96 -917.98,593.96 -760,435.98 -760,228 -820.66,167.34 *1.217@-894.9,167.34
B15_L21_P: *1.215 *7.15 | length 3075.5
  Top Layer w5: *7.15@-1669.29,393.7 -1816.7,393.7 -1847,424 -1847,888.89 -1718.89,1017 -1346,1017 -1173,844 -1171.23,842.23 -1167.09,842.23 -1161.17,848.15 -1160.53,848.15 -1154.81,842.42 -1154.81,841.79 -1162.76,833.83 -1162.76,833.2 -1157.03,827.47 -1156.4,827.47 -1144.03,839.84 -1143.39,839.84 -1137.67,834.11 -1137.67,833.47 -1150.03,821.1 -1150.03,820.47 -1144.31,814.74 -1143.67,814.74 -1131.3,827.11 -1130.66,827.11 -1124.94,821.38 -1124.94,820.74 -1137.31,808.38 -1137.31,807.74 -1131.58,802.01 -1130.94,802.01 -1118.57,814.38 -1117.94,814.38 -1112.21,808.65 -1112.21,808.02 -1124.58,795.65 -1124.58,795.01 -1118.85,789.28 -1118.21,789.28 -1105.85,801.65 -1105.21,801.65 -1099.48,795.93 -1099.48,795.29 -1111.85,782.92 -1111.85,782.28 -1106.12,776.56 -1105.49,776.56 -1093.12,788.92 -1092.48,788.92 -1086.75,783.2 -1086.75,782.56 -1099.12,770.19 -1099.12,769.56 -1093.39,763.83 -1092.76,763.83 -1080.39,776.2 -1079.75,776.2 -1074.03,770.47 -1074.03,769.83 -1086.39,757.47 -1086.39,756.83 -1080.67,751.1 -1080.03,751.1 -1067.66,763.47 -1067.03,763.47 -1061.3,757.74 -1061.3,757.1 -1073.67,744.74 -1073.67,744.1 -1067.94,738.37 -1067.3,738.37 -1054.93,750.74 -1054.3,750.74 -1048.57,745.01 -1048.57,744.38 -1060.94,732.01 -1060.94,731.37 -1055.21,725.65 -1054.57,725.65 -1042.28,737.94 -1041.64,737.94 -1035.91,732.22 -1035.91,731.58 -1048.21,719.28 -1048.21,718.64 -1042.48,712.92 -1041.85,712.92 -1029.55,725.22 -1028.91,725.22 -1023.18,719.49 -1023.18,718.85 -1035.48,706.55 -1035.48,705.92 -1029.75,700.19 -1029.12,700.19 -1016.82,712.49 -1016.18,712.49 -1010.46,706.76 -1010.46,706.12 -1022.75,693.83 -1022.75,693.19 -1017.03,687.46 -1016.39,687.46 -1004.09,699.76 -1003.46,699.76 -997.73,694.03 -997.73,693.4 -1010.03,681.1 -1010.03,680.46 -1004.3,674.73 -1003.66,674.73 -991.36,687.03 -990.73,687.03 -985,681.3 -985,680.67 -997.3,668.37 -997.3,667.73 -991.57,662.01 -990.93,662.01 -978.64,674.3 -978,674.3 -972.27,668.58 -972.27,667.94 -984.57,655.64 -984.57,655.01 -978.84,649.28 -978.21,649.28 -965.91,661.58 -965.27,661.58 -959.54,655.85 -959.54,655.21 -971.84,642.91 -971.84,642.28 -966.11,636.55 -965.48,636.55 -953.18,648.85 -952.54,648.85 -946.82,643.12 -946.82,642.48 -959.11,630.19 -959.11,629.55 -953.39,623.82 -952.75,623.82 -940.45,636.12 -939.82,636.12 -934.09,630.39 -934.09,629.76 -944.35,619.49 -944.35,615.35 -935.73,606.73 ; -933.96,604.96 -935.73,606.73 ; *1.215@-894.9,147.65 -810.35,147.65 -749,209 -749,440.54 -915.19,606.73 -933.96,606.73 -935.73,606.73
B15_L22_N: *1.227 *7.27 | length 3072.2
  Top Layer w5: *7.27@-1669.29,582.68 -1671.97,580 -1766,580 -1780,594 -1780,878.11 -1709.11,949 -1674.62,949 -1672.12,949 -1669.19,951.93 -1669.19,957 -1668.19,958 -1660.19,958 -1659.19,957 -1659.19,950 -1658.19,949 -1650.19,949 -1649.19,950 -1649.19,957 -1648.19,958 -1640.19,958 -1639.19,957 -1639.19,950 -1638.19,949 -1630.19,949 -1629.19,950 -1629.19,957 -1628.19,958 -1620.19,958 -1619.19,957 -1619.19,950 -1618.19,949 -1610.19,949 -1609.19,950 -1609.19,957 -1608.19,958 -1600.19,958 -1599.19,957 -1599.19,950 -1598.19,949 -1590.19,949 -1589.19,950 -1589.19,957 -1588.19,958 -1580.19,958 -1579.19,957 -1579.19,950 -1578.19,949 -1570.19,949 -1569.19,950 -1569.19,957 -1568.19,958 -1560.19,958 -1559.19,957 -1559.19,950 -1558.19,949 -1550.19,949 -1549.19,950 -1549.19,957 -1548.19,958 -1540.19,958 -1539.19,957 -1539.19,950 -1538.19,949 -1530.19,949 -1529.19,950 -1529.19,957 -1528.19,958 -1520.19,958 -1519.19,957 -1519.19,950 -1518.19,949 -1510.19,949 -1509.19,950 -1509.19,957 -1508.19,958 -1500.19,958 -1499.19,957 -1499.19,950 -1498.19,949 -1490.19,949 -1489.19,950 -1489.19,957 -1488.19,958 -1480.19,958 -1479.19,957 -1479.19,950 -1478.19,949 -1470.19,949 -1469.19,950 -1469.19,957 -1468.19,958 -1460.19,958 -1459.19,957 -1459.19,951.93 -1456.26,949 -1451,949 -1431.95,949 -1424.47,941.53 -1422.71,939.76 -1415.63,932.69 -1415.63,928.54 -1424.29,919.89 -1424.29,918.47 -1418.64,912.81 -1417.22,912.81 -1406.21,923.82 -1404.8,923.82 -1399.14,918.17 -1399.14,916.75 -1410.15,905.74 -1410.15,904.33 -1404.5,898.67 -1403.08,898.67 -1392.07,909.68 -1390.66,909.68 -1385,904.03 -1385,902.61 -1396.01,891.6 -1396.01,890.19 -1390.35,884.53 -1388.94,884.53 -1377.93,895.54 -1376.51,895.54 -1370.86,889.88 -1370.86,888.47 -1381.87,877.46 -1381.87,876.04 -1376.21,870.39 -1374.8,870.39 -1363.79,881.4 -1362.37,881.4 -1356.71,875.74 -1356.71,874.33 -1367.73,863.32 -1367.73,861.9 -1362.07,856.25 -1360.66,856.25 -1349.64,867.26 -1348.23,867.26 -1342.57,861.6 -1342.57,860.19 -1353.58,849.17 -1353.58,847.76 -1347.93,842.1 -1346.51,842.1 -1335.5,853.11 -1334.09,853.11 -1328.43,847.46 -1328.43,846.04 -1339.44,835.03 -1339.44,833.62 -1333.78,827.96 -1332.37,827.96 -1321.36,838.97 -1319.95,838.97 -1314.29,833.32 -1314.29,831.9 -1325.3,820.89 -1325.3,819.48 -1319.64,813.82 -1318.23,813.82 -1307.22,824.83 -1305.8,824.83 -1300.15,819.17 -1300.15,817.76 -1311.16,806.75 -1311.16,805.33 -1305.5,799.68 -1304.09,799.68 -1293.08,810.69 -1291.66,810.69 -1286,805.03 -1286,803.62 -1297.02,792.61 -1297.02,791.19 -1291.36,785.53 -1289.94,785.53 -1278.93,796.55 -1277.52,796.55 -1271.86,790.89 -1271.86,789.47 -1282.87,778.46 -1282.87,777.05 -1277.22,771.39 -1275.8,771.39 -1264.79,782.4 -1263.38,782.4 -1257.72,776.75 -1257.72,775.33 -1268.73,764.32 -1268.73,762.91 -1263.07,757.25 -1261.66,757.25 -1250.65,768.26 -1249.23,768.26 -1243.58,762.6 -1243.58,761.19 -1254.59,750.18 -1254.59,748.77 -1248.93,743.11 -1247.52,743.11 -1236.51,754.12 -1235.09,754.12 -1229.44,748.46 -1229.44,747.05 -1240.45,736.04 -1240.45,734.62 -1234.79,728.97 -1233.38,728.97 -1222.36,739.98 -1220.95,739.98 -1215.29,734.32 -1215.29,732.91 -1226.3,721.9 -1226.3,720.48 -1220.65,714.82 -1219.23,714.82 -1208.22,725.84 -1206.81,725.84 -1201.15,720.18 -1201.15,718.76 -1212.16,707.75 -1212.16,706.34 -1206.51,700.68 -1205.09,700.68 -1194.08,711.69 -1192.67,711.69 -1187.01,706.04 -1187.01,704.62 -1198.02,693.61 -1198.02,692.2 -1192.36,686.54 -1190.95,686.54 -1179.94,697.55 -1178.52,697.55 -1172.87,691.89 -1172.87,690.48 -1183.88,679.47 -1183.88,678.05 -1178.22,672.4 -1176.81,672.4 -1165.8,683.41 -1164.38,683.41 -1158.72,677.75 -1158.72,676.34 -1169.74,665.33 -1169.74,663.91 -1164.08,658.26 -1162.67,658.26 -1151.65,669.27 -1150.24,669.27 -1144.58,663.61 -1144.58,662.2 -1155.59,651.18 -1155.59,649.77 -1149.94,644.11 -1148.52,644.11 -1137.51,655.12 -1136.1,655.12 -1130.44,649.47 -1130.44,648.05 -1141.45,637.04 -1141.45,635.63 -1135.8,629.97 -1134.38,629.97 -1123.37,640.98 -1121.96,640.98 -1116.3,635.33 -1116.3,633.91 -1127.31,622.9 -1127.31,621.49 -1121.65,615.83 -1120.24,615.83 -1109.23,626.84 -1107.81,626.84 -1102.16,621.18 -1102.16,619.77 -1113.17,608.76 -1113.17,607.34 -1107.51,601.69 -1106.1,601.69 -1095.09,612.7 -1093.67,612.7 -1088.01,607.04 -1088.01,605.63 -1099.03,594.62 -1099.03,593.2 -1093.37,587.54 -1091.95,587.54 -1080.94,598.56 -1079.53,598.56 -1073.87,592.9 -1073.87,591.48 -1084.88,580.47 -1084.88,579.06 -1079.23,573.4 -1077.81,573.4 -1066.8,584.41 -1065.39,584.41 -1059.73,578.76 -1059.73,577.34 -1070.74,566.33 -1070.74,564.92 -1065.08,559.26 -1063.67,559.26 -1052.66,570.27 -1051.24,570.27 -1045.59,564.61 -1045.59,563.2 -1056.6,552.19 -1056.6,550.78 -1050.94,545.12 -1049.53,545.12 -1038.52,556.13 -1037.1,556.13 -1031.45,550.47 -1031.45,549.06 -1042.46,538.05 -1042.46,536.63 -1036.8,530.98 -1035.39,530.98 -1024.37,541.99 -1022.96,541.99 -1017.3,536.33 -1017.3,534.92 -1028.31,523.91 -1028.31,522.49 -1022.66,516.83 -1021.24,516.83 -1010.23,527.85 -1008.82,527.85 -1003.16,522.19 -1003.16,520.77 -1014.17,509.76 -1014.17,508.35 -1008.52,502.69 -1007.1,502.69 -996.09,513.7 -994.68,513.7 -989.02,508.05 -989.02,506.63 -1000.03,495.62 -1000.03,494.21 -994.37,488.55 -992.96,488.55 -981.95,499.56 -980.53,499.56 -974.88,493.9 -974.88,492.49 -986.06,481.3 -986.06,479.89 -980.41,474.23 -978.99,474.23 -970.16,483.07 -966.02,483.07 -959.13,476.18 -957.36,474.41 -956.47,473.53 -859.77,473.53 -804,417.76 -804,287.7 -825.93,265.77 *1.227@-894.9,265.77
B15_L22_P: *1.225 *7.25 | length 3007.7
  Top Layer w5: *7.25@-1669.29,551.18 -1775.18,551.18 -1803,579 -1803,870.67 -1704.67,969 -1432,969 -1421.23,958.23 ; -1423,960 -1421.23,958.23 ; *1.225@-894.9,246.09 -812.93,246.09 -793,266.02 -793,422.31 -855.21,484.53 -947.53,484.53 -949.29,486.29 -952.52,489.52 -952.52,493.66 -945.89,500.29 -945.89,500.93 -951.62,506.65 -952.26,506.65 -961.85,497.07 -962.48,497.07 -968.21,502.79 -968.21,503.43 -958.62,513.02 -958.62,513.65 -964.35,519.38 -964.99,519.38 -974.57,509.79 -975.21,509.79 -980.94,515.52 -980.94,516.16 -971.35,525.74 -971.35,526.38 -977.08,532.11 -977.71,532.11 -987.3,522.52 -987.94,522.52 -993.67,528.25 -993.67,528.89 -984.08,538.47 -984.08,539.11 -989.81,544.84 -990.44,544.84 -1000.03,535.25 -1000.67,535.25 -1006.39,540.98 -1006.39,541.61 -996.81,551.2 -996.81,551.84 -1002.53,557.56 -1003.17,557.56 -1012.76,547.98 -1013.39,547.98 -1019.12,553.7 -1019.12,554.34 -1009.53,563.93 -1009.53,564.57 -1015.26,570.29 -1015.9,570.29 -1025.49,560.71 -1026.12,560.71 -1031.85,566.43 -1031.85,567.07 -1022.26,576.66 -1022.26,577.29 -1027.99,583.02 -1028.63,583.02 -1038.21,573.43 -1038.85,573.43 -1044.58,579.16 -1044.58,579.8 -1034.99,589.38 -1034.99,590.02 -1040.72,595.75 -1041.35,595.75 -1050.94,586.16 -1051.58,586.16 -1057.31,591.89 -1057.31,592.52 -1047.72,602.11 -1047.72,602.75 -1053.45,608.48 -1054.08,608.48 -1063.67,598.89 -1064.31,598.89 -1070.03,604.62 -1070.03,605.25 -1060.45,614.84 -1060.45,615.48 -1066.17,621.2 -1066.81,621.2 -1076.4,611.62 -1077.03,611.62 -1082.76,617.34 -1082.76,617.98 -1073.17,627.57 -1073.17,628.2 -1078.9,633.93 -1079.54,633.93 -1089.12,624.34 -1089.76,624.34 -1095.49,630.07 -1095.49,630.71 -1085.9,640.3 -1085.9,640.93 -1091.63,646.66 -1092.27,646.66 -1101.85,637.07 -1102.49,637.07 -1108.22,642.8 -1108.22,643.44 -1098.63,653.02 -1098.63,653.66 -1104.36,659.39 -1104.99,659.39 -1114.58,649.8 -1115.22,649.8 -1120.94,655.53 -1120.94,656.16 -1111.36,665.75 -1111.36,666.39 -1117.08,672.12 -1117.72,672.12 -1127.31,662.53 -1127.95,662.53 -1133.67,668.26 -1133.67,668.89 -1124.09,678.48 -1124.09,679.12 -1129.81,684.84 -1130.45,684.84 -1140.04,675.26 -1140.67,675.26 -1146.4,680.98 -1146.4,681.62 -1136.81,691.21 -1136.81,691.84 -1142.54,697.57 -1143.18,697.57 -1152.76,687.98 -1153.4,687.98 -1159.13,693.71 -1159.13,694.35 -1149.54,703.94 -1149.54,704.57 -1155.27,710.3 -1155.9,710.3 -1165.49,700.71 -1166.13,700.71 -1171.86,706.44 -1171.86,707.08 -1162.27,716.66 -1162.27,717.3 -1168,723.03 -1168.63,723.03 -1178.22,713.44 -1178.86,713.44 -1184.58,719.17 -1184.58,719.8 -1175,729.39 -1175,730.03 -1180.72,735.76 -1181.36,735.76 -1190.95,726.17 -1191.58,726.17 -1197.31,731.9 -1197.31,732.53 -1187.72,742.12 -1187.72,742.76 -1193.45,748.48 -1194.09,748.48 -1203.68,738.9 -1204.31,738.9 -1210.04,744.62 -1210.04,745.26 -1200.45,754.85 -1200.45,755.48 -1206.18,761.21 -1206.82,761.21 -1216.4,751.62 -1217.04,751.62 -1222.77,757.35 -1222.77,757.99 -1213.18,767.58 -1213.18,768.21 -1218.91,773.94 -1219.54,773.94 -1229.13,764.35 -1229.77,764.35 -1235.5,770.08 -1235.5,770.72 -1225.91,780.3 -1225.91,780.94 -1231.64,786.67 -1232.27,786.67 -1241.86,777.08 -1242.5,777.08 -1248.22,782.81 -1248.22,783.44 -1238.64,793.03 -1238.64,793.67 -1244.36,799.4 -1245,799.4 -1254.59,789.81 -1255.22,789.81 -1260.95,795.54 -1260.95,796.17 -1251.36,805.76 -1251.36,806.4 -1257.09,812.12 -1257.73,812.12 -1267.32,802.54 -1267.95,802.54 -1273.68,808.26 -1273.68,808.9 -1264.09,818.49 -1264.09,819.12 -1269.82,824.85 -1270.46,824.85 -1280.04,815.26 -1280.68,815.26 -1286.41,820.99 -1286.41,821.63 -1276.82,831.22 -1276.82,831.85 -1282.55,837.58 -1283.18,837.58 -1292.77,827.99 -1293.41,827.99 -1299.14,833.72 -1299.14,834.36 -1289.55,843.94 -1289.55,844.58 -1295.28,850.31 -1295.91,850.31 -1305.5,840.72 -1306.14,840.72 -1311.86,846.45 -1311.86,847.08 -1302.28,856.67 -1302.28,857.31 -1308,863.03 -1308.64,863.03 -1318.23,853.45 -1318.86,853.45 -1324.59,859.17 -1324.59,859.81 -1315,869.4 -1315,870.04 -1320.73,875.76 -1321.37,875.76 -1330.96,866.18 -1331.59,866.18 -1337.32,871.9 -1337.32,872.54 -1327.73,882.13 -1327.73,882.76 -1333.46,888.49 -1334.1,888.49 -1343.68,878.9 -1344.32,878.9 -1350.05,884.63 -1350.05,885.27 -1340.46,894.85 -1340.46,895.49 -1346.19,901.22 -1346.82,901.22 -1356.41,891.63 -1357.05,891.63 -1362.78,897.36 -1362.78,897.99 -1353.19,907.58 -1353.19,908.22 -1358.92,913.95 -1359.55,913.95 -1369.14,904.36 -1369.78,904.36 -1375.5,910.09 -1375.5,910.72 -1365.92,920.31 -1365.92,920.95 -1371.64,926.67 -1372.28,926.67 -1381.87,917.09 -1382.5,917.09 -1388.23,922.81 -1388.23,923.45 -1378.64,933.04 -1378.64,933.67 -1384.37,939.4 -1385.01,939.4 -1394.6,929.81 -1395.23,929.81 -1400.96,935.54 -1400.96,936.18 -1391.37,945.77 -1391.37,946.4 -1397.1,952.13 -1397.74,952.13 -1407.32,942.54 -1407.96,942.54 -1413.69,948.27 -1413.69,948.91 -1404.1,958.49 -1404.1,959.13 -1409.83,964.86 -1410.46,964.86 -1417.09,958.23 -1421.23,958.23